# Altium PCB 10515.0461_全联供输出板(2拼版)_V1.0.PcbDoc (part 1 of 9)
Units mm, origin at the board's own origin, x right, y up, seen from the top; angles counter-clockwise.
Board outline 283.88 x 134.8 mm, 2 copper layers (Top Layer, Bottom Layer); 298 components, 0 nets, 1264 pads, 970 vias.
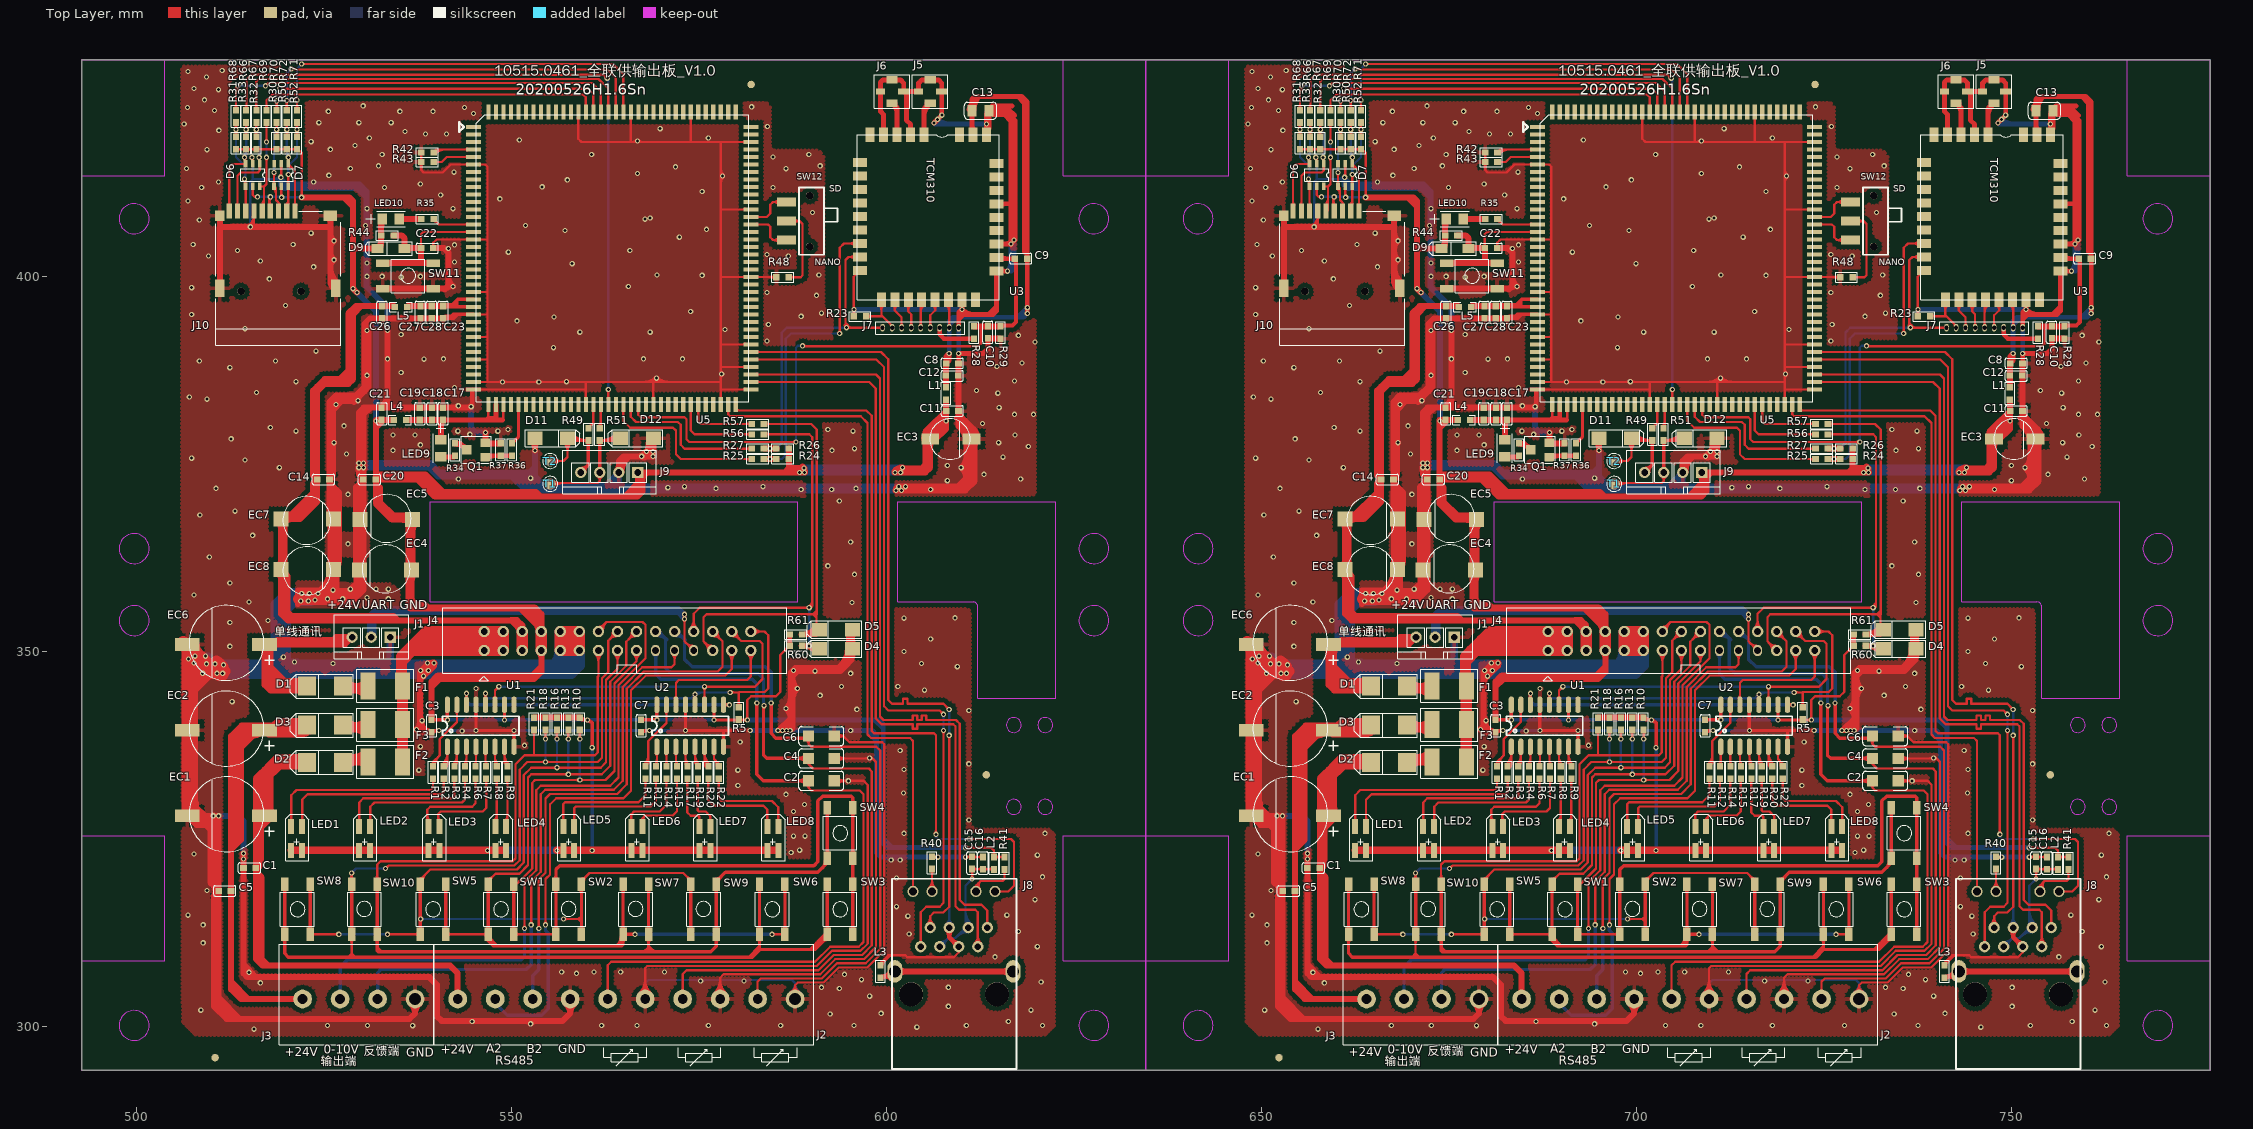
[diagram p0: Top Layer view]
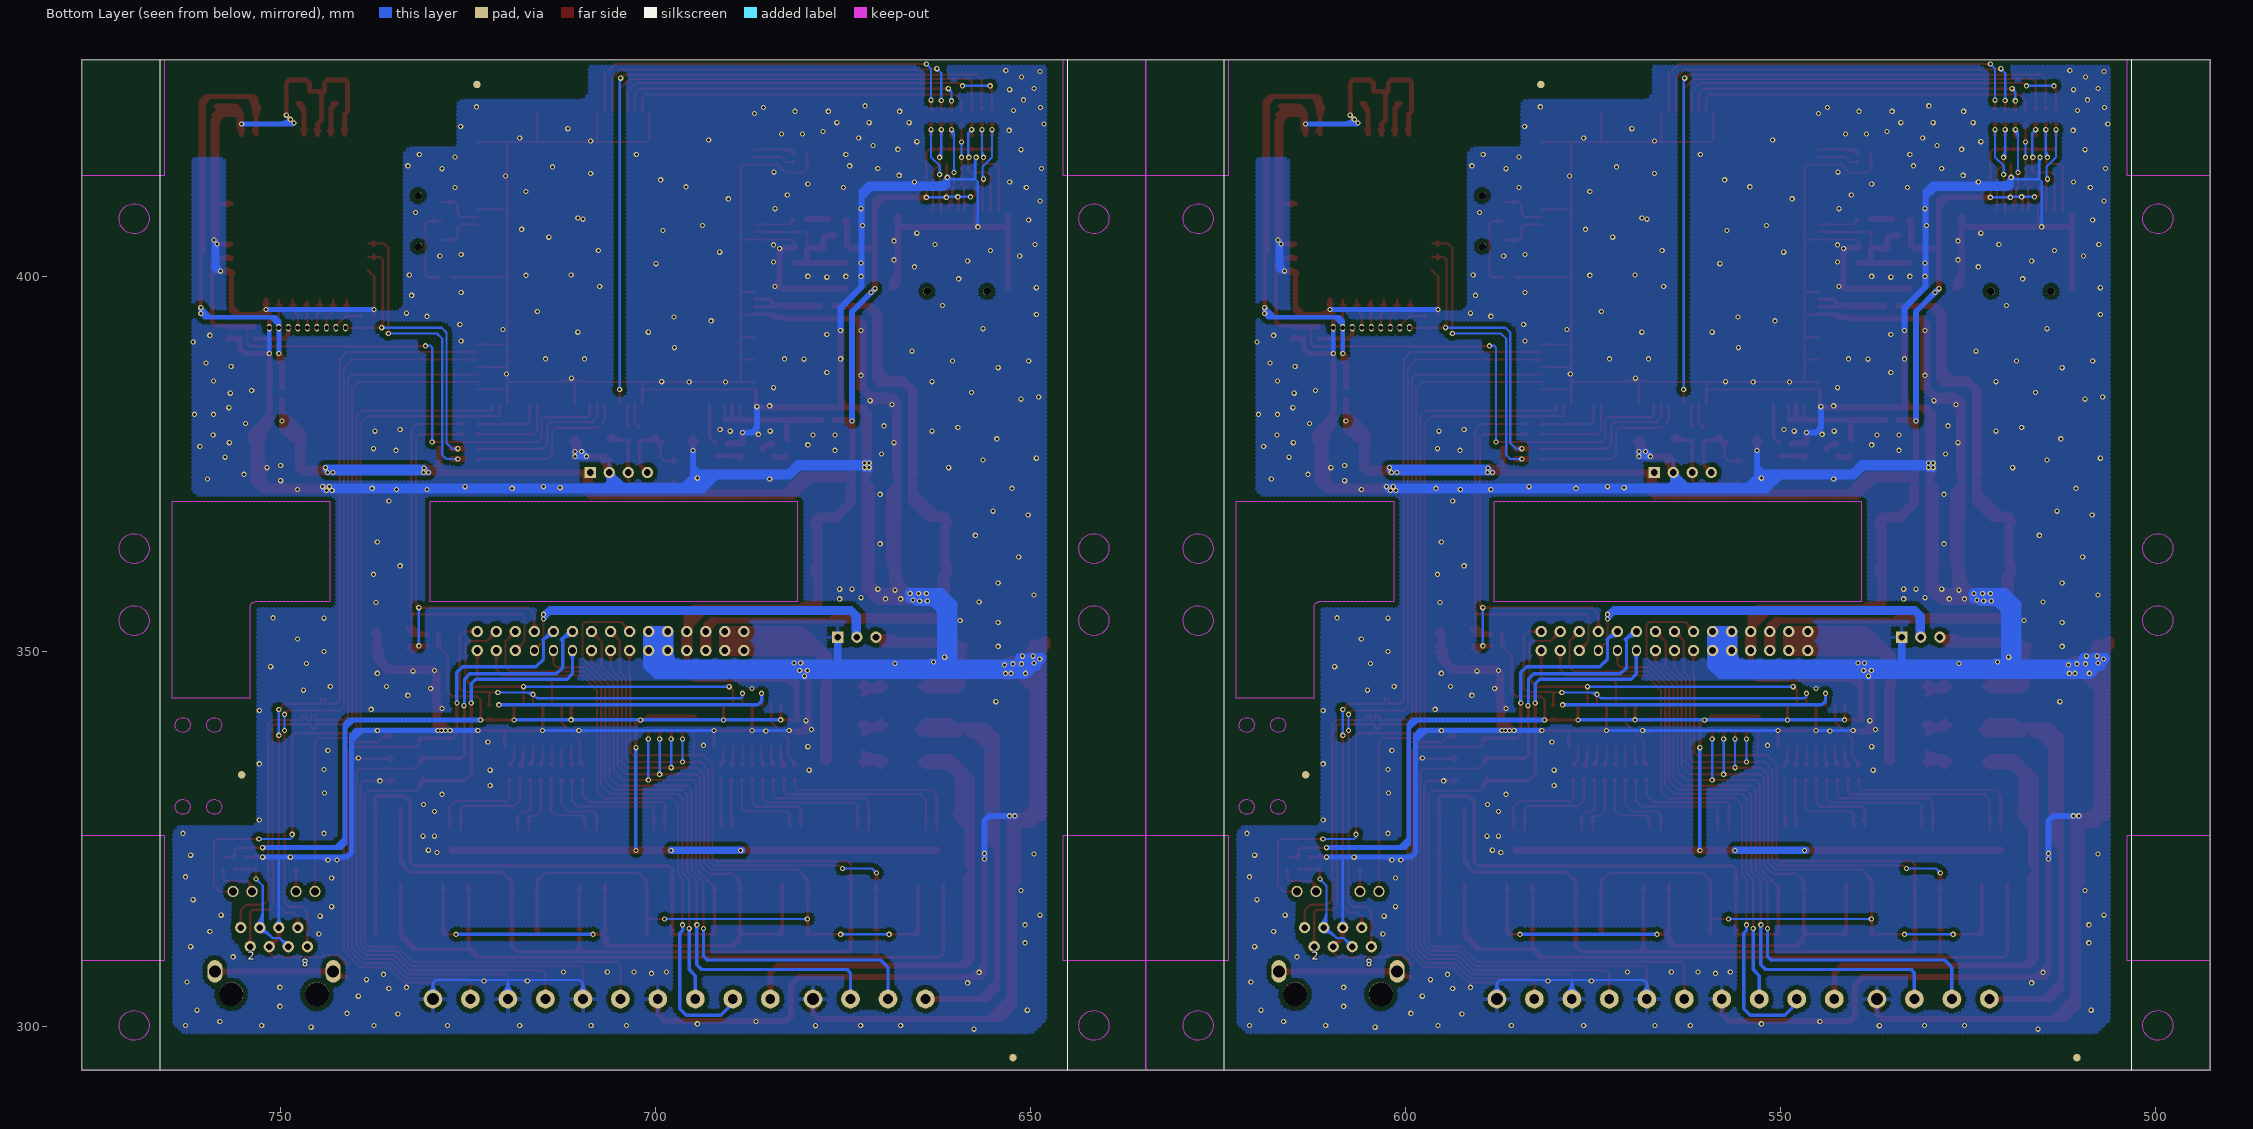
[diagram p1: Bottom Layer view, seen from below]

## Layer stack, top to bottom
Top Layer: signal copper 0.0356
Dielectric: dielectric 0.32, FR-4, Dk 4.8
Bottom Layer: signal copper 0.0356

## Board outline
492.633,428.879 776.517,428.879 776.517,294.079 492.633,294.079 492.633,428.879

## Design rules (kind name [scope] priority, off if disabled: settings)
Clearance [All] p1: gap=0.254
PolygonConnect [All] p1: connectstyle=Relief reliefconductorwidth=0.254 reliefentries=4 polygonreliefangle="90 Angle"
RoutingVias [All] p1: holewidth=0.711 width=1.27 viastyle="Through Hole" minholewidth=0.711 minwidth=1.27 maxholewidth=0.711 maxwidth=1.27
SilkscreenOverComponentPads [All] p1: minsilkscreentomaskgap=0.254
SolderMaskExpansion [All] p1: expansion=0.102
Width [All] p1: maxlimit=0.254 minlimit=0.254 preferedwidth=0.254
27 further rules are at their usual default settings.

## Components (designator, comment, footprint, x,y, rotation, side; value= is the part's Value field where it differs from the comment)
C1 "0.1uF/0603" CAP/SMT/0603C 656.123,321.003 r0 top
C1 "0.1uF/0603" CAP/SMT/0603C 514.223,321.003 r0 top
C2 "1nF/1206" CAP/SMT/1206C 731.434,332.687 r0 top
C2 "1nF/1206" CAP/SMT/1206C 589.534,332.687 r0 top
C3 "0.1uF/0603" CAP/SMT/0603C 681.142,340.815 r270 top
C3 "0.1uF/0603" CAP/SMT/0603C 539.242,340.815 r270 top
C4 "1nF/1206" CAP/SMT/1206C 731.434,335.672 r0 top
C4 "1nF/1206" CAP/SMT/1206C 589.534,335.672 r0 top
C5 "0.1uF/0603" CAP/SMT/0603C 652.821,317.955 r0 top
C5 "0.1uF/0603" CAP/SMT/0603C 510.921,317.955 r0 top
C6 "1nF/1206" CAP/SMT/1206C 731.434,338.656 r0 top
C6 "1nF/1206" CAP/SMT/1206C 589.534,338.656 r0 top
C7 "0.1uF/0603" CAP/SMT/0603C 709.082,340.815 r270 top
C7 "0.1uF/0603" CAP/SMT/0603C 567.182,340.815 r270 top
C8 "10uF/0603" CAP/SMT/0603C 749.849,388.313 r0 top
C8 "10uF/0603" CAP/SMT/0603C 607.949,388.313 r0 top
C9 "0.1uF/0603" CAP/SMT/0603C 758.993,402.283 r0 top
C9 "0.1uF/0603" CAP/SMT/0603C 617.093,402.283 r0 top
C10 "0.1uF/0603" CAP/SMT/0603C 755.437,391.742 r90 top
C10 "0.1uF/0603" CAP/SMT/0603C 613.537,391.742 r90 top
C11 "0.1uF/0603" CAP/SMT/0603C 749.849,381.963 r0 top
C11 "0.1uF/0603" CAP/SMT/0603C 607.949,381.963 r0 top
C12 "0.1uF/0603" CAP/SMT/0603C 751.404,386.789 r180 top
C12 "0.1uF/0603" CAP/SMT/0603C 609.504,386.789 r180 top
C13 "22uF/0805" CAP/SMT/0805C 755.564,422.095 r180 top
C13 "22uF/0805" CAP/SMT/0805C 613.664,422.095 r180 top
C14 "0.1uF/0603" CAP/SMT/0603C 667.553,372.969 r180 top
C14 "0.1uF/0603" CAP/SMT/0603C 525.653,372.969 r180 top
C15 "0.1uF/0603" CAP/SMT/0603C 753.336,320.963 r90 top
C15 "0.1uF/0603" CAP/SMT/0603C 611.436,320.963 r90 top
C16 "10uF/0603" CAP/SMT/0603C 754.675,322.517 r270 top
C16 "10uF/0603" CAP/SMT/0603C 612.775,322.517 r270 top
C17 "1uF/0603" CAP/SMT/0603C 682.666,382.446 r270 top
C17 "1uF/0603" CAP/SMT/0603C 540.766,382.446 r270 top
C18 "0.1uF/0603" CAP/SMT/0603C 681.18,382.446 r270 top
C18 "0.1uF/0603" CAP/SMT/0603C 539.28,382.446 r270 top
C19 "0.1uF/0603" CAP/SMT/0603C 679.568,382.446 r270 top
C19 "0.1uF/0603" CAP/SMT/0603C 537.668,382.446 r270 top
C20 "1uF/0603" CAP/SMT/0603C 672.125,372.819 r0 top
C20 "1uF/0603" CAP/SMT/0603C 530.225,372.819 r0 top
C21 "0.1uF/0603" CAP/SMT/0603C 674.488,382.446 r270 top
C21 "0.1uF/0603" CAP/SMT/0603C 532.588,382.446 r270 top
C22 "0.1uF/0603" CAP/SMT/0603C 681.396,403.807 r180 top
C22 "0.1uF/0603" CAP/SMT/0603C 539.496,403.807 r180 top
C23 "0.1uF/0603" CAP/SMT/0603C 682.793,394.409 r90 top
C23 "0.1uF/0603" CAP/SMT/0603C 540.893,394.409 r90 top
C26 "0.1uF/0603" CAP/SMT/0603C 674.665,394.409 r90 top
C26 "0.1uF/0603" CAP/SMT/0603C 532.765,394.409 r90 top
C27 "0.1uF/0603" CAP/SMT/0603C 679.745,394.409 r90 top
C27 "0.1uF/0603" CAP/SMT/0603C 537.845,394.409 r90 top
C28 "0.1uF/0603" CAP/SMT/0603C 681.269,394.409 r90 top
C28 "0.1uF/0603" CAP/SMT/0603C 539.369,394.409 r90 top
D1 "1N5819" D/SMT/DO-214AC 669.331,345.387 r0 top
D1 "1N5819" D/SMT/DO-214AC 527.431,345.387 r0 top
D2 "1N5819" D/SMT/DO-214AC 669.331,335.227 r0 top
D2 "1N5819" D/SMT/DO-214AC 527.431,335.227 r0 top
D3 "1N5819" D/SMT/DO-214AC 669.331,340.18 r0 top
D3 "1N5819" D/SMT/DO-214AC 527.431,340.18 r0 top
D4 "SMF6.5CA/SOD-123" D/SMT/SOD123 732.704,350.34 r0 top
D4 "SMF6.5CA/SOD-123" D/SMT/SOD123 590.804,350.34 r0 top
D5 "SMF6.5CA/SOD-123" D/SMT/SOD123 732.704,352.88 r0 top
D5 "SMF6.5CA/SOD-123" D/SMT/SOD123 590.804,352.88 r0 top
D6 "SR05-4B/SOT-363" TSOT-6L 658.282,414.983 r270 top
D6 "SR05-4B/SOT-363" TSOT-6L 516.382,414.983 r270 top
D7 "SR05-4B/SOT-363" TSOT-6L 662.092,414.983 r270 top
D7 "SR05-4B/SOT-363" TSOT-6L 520.192,414.983 r270 top
D9 "1N4148/SOD-123" D/SMT/SOD-123 675.808,403.68 r0 top
D9 "1N4148/SOD-123" D/SMT/SOD-123 533.908,403.68 r0 top
D11 "SMF6.5CA/SOD-123" D/SMT/SOD123 699.557,378.407 r180 top
D11 "SMF6.5CA/SOD-123" D/SMT/SOD123 557.657,378.407 r180 top
D12 "SMF6.5CA/SOD-123" D/SMT/SOD123 706.161,378.407 r0 top
D12 "SMF6.5CA/SOD-123" D/SMT/SOD123 564.261,378.407 r0 top
EC1 "220uF/50V" CAP/SMT/220UF/50V 658.917,323.035 r180 top
EC1 "220uF/50V" CAP/SMT/220UF/50V 517.017,323.035 r180 top
EC2 "220uF/50V" CAP/SMT/220UF/50V 658.917,334.465 r180 top
EC2 "220uF/50V" CAP/SMT/220UF/50V 517.017,334.465 r180 top
EC3 "47uF/16V" CAP/SMT/47uF/16V 747.69,378.28 r0 top
EC3 "47uF/16V" CAP/SMT/47uF/16V 605.79,378.28 r0 top
EC4 "100uF/25V" CAP/SMT/100UF/25V 678.221,360.677 r180 top
EC4 "100uF/25V" CAP/SMT/100UF/25V 536.321,360.677 r180 top
EC5 "100uF/25V" CAP/SMT/100UF/25V 678.348,367.408 r180 top
EC5 "100uF/25V" CAP/SMT/100UF/25V 536.448,367.408 r180 top
EC6 "220uF/50V" CAP/SMT/220UF/50V 658.917,345.895 r180 top
EC6 "220uF/50V" CAP/SMT/220UF/50V 517.017,345.895 r180 top
EC7 "100uF/25V" CAP/SMT/100UF/25V 661.457,367.739 r0 top
EC7 "100uF/25V" CAP/SMT/100UF/25V 519.557,367.739 r0 top
EC8 "100uF/25V" CAP/SMT/100UF/25V 661.457,361.008 r0 top
EC8 "100uF/25V" CAP/SMT/100UF/25V 519.557,361.008 r0 top
F1 "500MA" FUSE/100MA/SMC 677.332,345.387 r180 top
F1 "500MA" FUSE/100MA/SMC 535.432,345.387 r180 top
F2 "500MA" FUSE/100MA/SMC 672.665,335.227 r0 top
F2 "500MA" FUSE/100MA/SMC 530.765,335.227 r0 top
F3 "500MA" FUSE/100MA/SMC 672.665,340.18 r0 top
F3 "500MA" FUSE/100MA/SMC 530.765,340.18 r0 top
J1 "CON/DIP/1X3PIN/2.54MM" CON/DIP/1×3PIN/2.54MM/插件端子 675.681,351.864 r270 top
J1 "CON/DIP/1X3PIN/2.54MM" CON/DIP/1×3PIN/2.54MM/插件端子 533.781,351.864 r270 top
J2 "WJ305-5.0" CON/DIP/1×10PIN/5.0MM/WJ103-10P 707.177,303.604 r180 top locked
J2 "WJ305-5.0" CON/DIP/1×10PIN/5.0MM/WJ103-10P 565.277,303.604 r180 top locked
J3 "WJ103-5.0" CON/DIP/1×4PIN/5.0MM/WJ103-4P 671.49,303.604 r180 top
J3 "WJ103-5.0" CON/DIP/1×4PIN/5.0MM/WJ103-4P 529.59,303.604 r180 top
J4 "CON/DIP/2X15PIN" CON/DIP/2X15PIN/2.54MM 688.206,350.086 r90 top
J4 "CON/DIP/2X15PIN" CON/DIP/2X15PIN/2.54MM 546.306,350.086 r90 top
J5 "NC" W.FL.LP-3MM 747.69,424.635 r270 top
J5 "NC" W.FL.LP-3MM 605.79,424.635 r270 top
J6 "Antena_W.FL-LP" W.FL.LP-3MM 742.61,424.635 r270 top
J6 "Antena_W.FL-LP" W.FL.LP-3MM 600.71,424.635 r270 top
J7 "CON/1X9PIN" CON/DIP/1×9PIN/1.27MM 751.5,393.139 r180 top
J7 "CON/1X9PIN" CON/DIP/1×9PIN/1.27MM 609.6,393.139 r180 top
J8 "MJ3A-B211-RSL15T022-1" RJ45-MJ3A-B211-RSL15T022-1 745.404,317.955 r0 top locked
J8 "MJ3A-B211-RSL15T022-1" RJ45-MJ3A-B211-RSL15T022-1 603.504,317.955 r0 top locked
J9 "1X4PIN/2.54MM" CON/DIP/1×4PIN/2.54MM/插件端子 708.701,373.835 r270 top
J9 "1X4PIN/2.54MM" CON/DIP/1×4PIN/2.54MM/插件端子 566.801,373.835 r270 top
J10 "OTHER/MicroSD" TF-01A 660.695,403.553 r0 top
J10 "OTHER/MicroSD" TF-01A 518.795,403.553 r0 top
L1 "10uH/0603/磁珠" 0603R 749.776,384.376 r90 top
L1 "10uH/0603/磁珠" 0603R 607.876,384.376 r90 top
L2 "220R/0603/磁珠" 0603R 756.199,321.715 r270 top
L2 "220R/0603/磁珠" 0603R 614.299,321.715 r270 top
L3 "10uH/0603/磁珠" 0603R 741.086,307.287 r270 top
L3 "10uH/0603/磁珠" 0603R 599.186,307.287 r270 top
L4 "L/10uH" L/SMT/0603L 676.189,380.878 r0 top
L4 "L/10uH" L/SMT/0603L 534.289,380.878 r0 top
L5 "L/10uH" L/SMT/0603L 676.316,395.933 r0 top
L5 "L/10uH" L/SMT/0603L 534.416,395.933 r0 top
LED1 "WEJT910C-R3H4共阳" D/SMT/WEJT910C-R3H4 662.473,323.416 r90 top
LED1 "WEJT910C-R3H4共阳" D/SMT/WEJT910C-R3H4 520.573,323.416 r90 top
LED2 "WEJT910C-R3H4共阳" D/SMT/WEJT910C-R3H4 671.544,323.416 r90 top
LED2 "WEJT910C-R3H4共阳" D/SMT/WEJT910C-R3H4 529.644,323.416 r90 top
LED3 "WEJT910C-R3H4共阳" D/SMT/WEJT910C-R3H4 680.761,323.416 r90 top
LED3 "WEJT910C-R3H4共阳" D/SMT/WEJT910C-R3H4 538.861,323.416 r90 top
LED4 "WEJT910C-R3H4共阳" D/SMT/WEJT910C-R3H4 689.687,323.416 r90 top
LED4 "WEJT910C-R3H4共阳" D/SMT/WEJT910C-R3H4 547.787,323.416 r90 top
LED5 "WEJT910C-R3H4共阳" D/SMT/WEJT910C-R3H4 698.759,323.416 r90 top
LED5 "WEJT910C-R3H4共阳" D/SMT/WEJT910C-R3H4 556.859,323.416 r90 top
LED6 "WEJT910C-R3H4共阳" D/SMT/WEJT910C-R3H4 707.83,323.416 r90 top
LED6 "WEJT910C-R3H4共阳" D/SMT/WEJT910C-R3H4 565.93,323.416 r90 top
LED7 "WEJT910C-R3H4共阳" D/SMT/WEJT910C-R3H4 716.902,323.416 r90 top
LED7 "WEJT910C-R3H4共阳" D/SMT/WEJT910C-R3H4 575.002,323.416 r90 top
LED8 "WEJT910C-R3H4共阳" D/SMT/WEJT910C-R3H4 725.973,323.416 r90 top
LED8 "WEJT910C-R3H4共阳" D/SMT/WEJT910C-R3H4 584.073,323.416 r90 top
LED9 "WEJT81GC-0805" D/SMT/LED/0805 682.285,375.867 r90 top
LED9 "WEJT81GC-0805" D/SMT/LED/0805 540.385,375.867 r90 top
LED10 "WEJT81GC-0805" D/SMT/LED/0805 676.951,407.49 r180 top
LED10 "WEJT81GC-0805" D/SMT/LED/0805 535.051,407.49 r180 top
Q1 "NPN_SS8050" BJT/SMT/SOT-23 688.381,375.867 r90 top
Q1 "NPN_SS8050" BJT/SMT/SOT-23 546.481,375.867 r90 top
R1 "1K/0603" 0603R 681.396,333.83 r270 top
R1 "1K/0603" 0603R 539.496,333.83 r270 top
R2 "1K/0603" 0603R 682.811,333.83 r270 top
R2 "1K/0603" 0603R 540.911,333.83 r270 top
R3 "1K/0603" 0603R 684.226,333.83 r270 top
R3 "1K/0603" 0603R 542.326,333.83 r270 top
R4 "1K/0603" 0603R 685.641,333.83 r270 top
R4 "1K/0603" 0603R 543.741,333.83 r270 top
R5 "10K/0603" 0603R 722.163,341.704 r90 top
R5 "10K/0603" 0603R 580.263,341.704 r90 top
R6 "1K/0603" 0603R 687.057,333.83 r270 top
R6 "1K/0603" 0603R 545.157,333.83 r270 top
R7 "1K/0603" 0603R 688.472,333.83 r270 top
R7 "1K/0603" 0603R 546.572,333.83 r270 top
R8 "1K/0603" 0603R 689.887,333.83 r270 top
R8 "1K/0603" 0603R 547.987,333.83 r270 top
R9 "1K/0603" 0603R 691.302,333.83 r270 top
R9 "1K/0603" 0603R 549.402,333.83 r270 top
R10 "10K/0603" 0603R 700.954,340.307 r90 top
R10 "10K/0603" 0603R 559.054,340.307 r90 top
R11 "1K/0603" 0603R 709.717,333.83 r270 top
R11 "1K/0603" 0603R 567.817,333.83 r270 top
R12 "1K/0603" 0603R 711.114,333.83 r270 top
R12 "1K/0603" 0603R 569.214,333.83 r270 top
R13 "10K/0603" 0603R 699.43,340.307 r90 top
R13 "10K/0603" 0603R 557.53,340.307 r90 top
R14 "1K/0603" 0603R 712.511,333.83 r270 top
R14 "1K/0603" 0603R 570.611,333.83 r270 top
R15 "1K/0603" 0603R 713.908,333.83 r270 top
R15 "1K/0603" 0603R 572.008,333.83 r270 top
R16 "10K/0603" 0603R 697.906,340.307 r90 top
R16 "10K/0603" 0603R 556.006,340.307 r90 top
R17 "1K/0603" 0603R 715.305,333.83 r270 top
R17 "1K/0603" 0603R 573.405,333.83 r270 top
R18 "10K/0603" 0603R 696.382,340.307 r90 top
R18 "10K/0603" 0603R 554.482,340.307 r90 top
R19 "1K/0603" 0603R 716.702,333.83 r270 top
R19 "1K/0603" 0603R 574.802,333.83 r270 top
R20 "1K/0603" 0603R 718.099,333.83 r270 top
R20 "1K/0603" 0603R 576.199,333.83 r270 top
R21 "10K/0603" 0603R 694.858,340.307 r90 top
R21 "10K/0603" 0603R 552.958,340.307 r90 top
R22 "1K/0603" 0603R 719.496,333.83 r270 top
R22 "1K/0603" 0603R 577.596,333.83 r270 top
R23 "10K/0603" 0603R 738.336,394.663 r0 top
R23 "10K/0603" 0603R 596.436,394.663 r0 top
R24 "10K/0603" 0603R 728.005,375.613 r0 top
R24 "10K/0603" 0603R 586.105,375.613 r0 top
R25 "100R/0603" 0603R 724.703,375.613 r0 top
R25 "100R/0603" 0603R 582.803,375.613 r0 top
R26 "10K/0603" 0603R 728.005,377.01 r0 top
R26 "10K/0603" 0603R 586.105,377.01 r0 top
R27 "100R/0603" 0603R 724.703,377.01 r0 top
R27 "100R/0603" 0603R 582.803,377.01 r0 top
R28 "100R/0603" 0603R 753.532,392.504 r90 top
R28 "100R/0603" 0603R 611.632,392.504 r90 top
R29 "10K/0603" 0603R 757.088,392.504 r90 top
R29 "10K/0603" 0603R 615.188,392.504 r90 top
R30 "10K/0603" 0603R 660.526,417.777 r270 top
R30 "10K/0603" 0603R 518.626,417.777 r270 top
R31 "10K/0603" 0603R 655.107,417.777 r270 top
R31 "10K/0603" 0603R 513.207,417.777 r270 top
R32 "10K/0603" 0603R 657.816,417.777 r270 top
R32 "10K/0603" 0603R 515.916,417.777 r270 top
R33 "10K/0603" 0603R 656.462,417.777 r270 top
R33 "10K/0603" 0603R 514.562,417.777 r270 top
R34 "1K/0603" 0603R 684.317,376.883 r90 top
R34 "1K/0603" 0603R 542.417,376.883 r90 top
R35 "1K/0603" 0603R 680.634,407.617 r180 top
R35 "1K/0603" 0603R 538.734,407.617 r180 top
R36 "4.7K/0603" 0603R 691.937,376.883 r270 top
R36 "4.7K/0603" 0603R 550.037,376.883 r270 top
R37 "10K/0603" 0603R 690.413,376.883 r270 top
R37 "10K/0603" 0603R 548.513,376.883 r270 top
R40 "470R/0603" 0603R 747.944,321.765 r90 top
R40 "470R/0603" 0603R 606.044,321.765 r90 top
R41 "470R/0603" 0603R 757.596,321.715 r90 top
R41 "470R/0603" 0603R 615.696,321.715 r90 top
R42 "1K/0603" 0603R 680.634,416.507 r180 top
R42 "1K/0603" 0603R 538.734,416.507 r180 top
R43 "NC 1K/0603" 0603R 680.634,415.237 r180 top
R43 "NC 1K/0603" 0603R 538.734,415.237 r180 top
R44 "10K/0603" 0603R 675.3,405.458 r180 top
R44 "10K/0603" 0603R 533.4,405.458 r180 top
R48 "1K/0603" 0603R 728.005,399.87 r0 top
R48 "1K/0603" 0603R 586.105,399.87 r0 top
R49 "100R/0603" 0603R 702.097,378.915 r90 top
R49 "100R/0603" 0603R 560.197,378.915 r90 top
R50 "10K/0603" 0603R 661.88,417.777 r270 top
R50 "10K/0603" 0603R 519.98,417.777 r270 top
R51 "100R/0603" 0603R 703.621,378.915 r90 top
R51 "100R/0603" 0603R 561.721,378.915 r90 top
R52 "10K/0603" 0603R 663.235,417.777 r270 top
R52 "10K/0603" 0603R 521.335,417.777 r270 top
R56 "100R/0603" 0603R 724.703,378.915 r0 top
R56 "100R/0603" 0603R 582.803,378.915 r0 top
R57 "100R/0603" 0603R 724.703,380.312 r0 top
R57 "100R/0603" 0603R 582.803,380.312 r0 top
R60 "10K/0603" 0603R 729.783,350.721 r180 top
R60 "10K/0603" 0603R 587.883,350.721 r180 top
R61 "10K/0603" 0603R 729.783,352.245 r180 top
R61 "10K/0603" 0603R 587.883,352.245 r180 top
R66 "22R/0603" 0603R 656.462,421.333 r270 top
R66 "22R/0603" 0603R 514.562,421.333 r270 top
R67 "22R/0603" 0603R 657.816,421.333 r270 top
R67 "22R/0603" 0603R 515.916,421.333 r270 top
R68 "22R/0603" 0603R 655.107,421.333 r270 top
R68 "22R/0603" 0603R 513.207,421.333 r270 top
R69 "22R/0603" 0603R 659.171,421.333 r270 top
R69 "22R/0603" 0603R 517.271,421.333 r270 top
R70 "22R/0603" 0603R 660.526,421.333 r270 top
R70 "22R/0603" 0603R 518.626,421.333 r270 top
R71 "22R/0603" 0603R 663.235,421.333 r270 top
R71 "22R/0603" 0603R 521.335,421.333 r270 top
R72 "22R/0603" 0603R 661.88,421.333 r270 top
R72 "22R/0603" 0603R 519.98,421.333 r270 top
SW1 "KAN4542-0381A" SWITCH/KAN4542 690.381,315.415 r90 top
SW1 "KAN4542-0381A" SWITCH/KAN4542 548.481,315.415 r90 top
SW2 "KAN4542-0381A" SWITCH/KAN4542 699.532,315.771 r270 top
SW2 "KAN4542-0381A" SWITCH/KAN4542 557.632,315.771 r270 top
SW3 "KAN4542-0381A" SWITCH/KAN4542 735.625,315.415 r90 top
SW3 "KAN4542-0381A" SWITCH/KAN4542 593.725,315.415 r90 top
SW4 "KAN4542-0381A" SWITCH/KAN4542 735.625,325.575 r90 top
SW4 "KAN4542-0381A" SWITCH/KAN4542 593.725,325.575 r90 top
SW5 "KAN4542-0381A" SWITCH/KAN4542 681.332,315.415 r90 top
SW5 "KAN4542-0381A" SWITCH/KAN4542 539.433,315.415 r90 top
SW6 "KAN4542-0381A" SWITCH/KAN4542 726.576,315.415 r90 top
SW6 "KAN4542-0381A" SWITCH/KAN4542 584.676,315.415 r90 top
SW7 "KAN4542-0381A" SWITCH/KAN4542 708.479,315.771 r270 top
SW7 "KAN4542-0381A" SWITCH/KAN4542 566.579,315.771 r270 top
SW8 "KAN4542-0381A" SWITCH/KAN4542 663.235,315.415 r90 top
SW8 "KAN4542-0381A" SWITCH/KAN4542 521.335,315.415 r90 top
SW9 "KAN4542-0381A" SWITCH/KAN4542 717.527,315.771 r270 top
SW9 "KAN4542-0381A" SWITCH/KAN4542 575.627,315.771 r270 top
SW10 "KAN4542-0381A" SWITCH/KAN4542 672.284,315.771 r270 top
SW10 "KAN4542-0381A" SWITCH/KAN4542 530.384,315.771 r270 top
SW11 "KAN4542-0381A" SWITCH/KAN4542 678.221,399.997 r180 top
SW11 "KAN4542-0381A" SWITCH/KAN4542 536.321,399.997 r180 top
SW12 "K3-1280S-F2" SWITCH/K3-1280S-F2 728.513,407.363 r270 top
SW12 "K3-1280S-F2" SWITCH/K3-1280S-F2 586.613,407.363 r270 top
T1 "TEST" TEST 697.017,372.311 r0 top
T1 "TEST" TEST 555.117,372.311 r0 top
T2 "TEST" TEST 697.017,375.359 r0 top
T2 "TEST" TEST 555.117,375.359 r0 top
U1 "SN74HC595" SOP-16 683.301,337.259 r90 top
U1 "SN74HC595" SOP-16 541.401,337.259 r90 top
U2 "SN74HC595" SOP-16 711.241,337.259 r90 top
U2 "SN74HC595" SOP-16 569.341,337.259 r90 top
U3 "TCM_310" TCM310 747.436,407.871 r270 top
U3 "TCM_310" TCM310 605.536,407.871 r270 top
U5 "MCU/SMT/MYCY6UL" MYC140 705.265,402.41 r270 top locked
U5 "MCU/SMT/MYCY6UL" MYC140 563.365,402.41 r270 top locked

## Footprints (in the part's own frame and the unit in brackets; to place one, negate y for a bottom-side part, rotate by r counter-clockwise, add the part's x,y. Pads: shape width x height; smd on the part's side, far side on the other; paste and mask are expansions set on the pad)
0603R [mil]
  rect 35x32 smd: 1(-32.5,0) 2(32.5,0)
  silkscreen extent -58,-25 58,25, body extent -33,-15 30,16, height 18
BJT/SMT/SOT-23 [mm] "transistor 1base 2emitter 3collector"
  rect 1.143x1.27 smd: 1(0,0) 2(1.95,0)
  rect 1.27x1.27 smd: 3(1,2.5)
  silkscreen extent -0.78,-0.8 2.78,3.26, body extent -0.38,-0.13 2.52,2.67, height 1.2
CAP/SMT/47uF/16V [mm]
  rect 2.4x1.5 smd: 1(0.01,0.017) 2(5.5,0.017)
  silkscreen extent -0.07,-2.7 5.33,2.7
CAP/SMT/100UF/25V [mm]
  rect 2x2 smd: 1(-0.325,-0.127) 2(6.675,-0.127)
  silkscreen extent -0.1,-3.49 6.29,2.91
CAP/SMT/220UF/50V [mm]
  rect 3.3x1.7 smd: 1(0,-5) 2(10.3,-5)
  silkscreen extent -1.27,-10.21 10.08,-0.21
CAP/SMT/0603C [mil]
  rect 35x32 smd: 1(-1,1.97) 2(64,1.97)
  silkscreen extent -28,-24 89,30, body extent -20,-20 82,19, height 35
CAP/SMT/0805C [mm]
  rect 1.2x1.524 smd: 1(0.01,0.01) 2(2.296,0.01)
  silkscreen extent -0.99,-1.13 3.32,1.15, body extent -0.38,-0.64 2.62,0.76, height 0.93
CAP/SMT/1206C [mm]
  rect 1.5x1.5 smd: 1(0.026,0.025) 2(3.455,0.025)
  silkscreen extent -1.25,-1.24 4.73,1.3, body extent -0.38,-0.89 3.82,0.91, height 0.95
CON/DIP/1×3PIN/2.54MM/插件端子 [mm]
  rect 1.5x1.5 hole 0.9: 1(0,0)
  round 1.5 hole 0.9: 2(0,-2.54) 3(0,-5.08)
  silkscreen extent -2.99,-7.5 2.86,2.46
CON/DIP/1×4PIN/2.54MM/插件端子 [mm]
  rect 1.5x1.5 hole 0.9: 1(0,0)
  round 1.5 hole 0.9: 2(0,-2.54) 3(0,-5.08) 4(0,-7.62)
  silkscreen extent -2.99,-10 2.86,2.46
CON/DIP/1×4PIN/5.0MM/WJ103-4P [mm]
  round 2.5 hole 1.6: 1(-7.5,0)
  round 2.5 hole 1.3: 2(-2.5,0) 3(2.5,0) 4(7.5,0)
  silkscreen extent -10,-7.3 10.6,6.1
CON/DIP/1×9PIN/1.27MM [mm]
  oval 0.6x1 hole 0.58: 1(0,0) 2(1.27,0) 3(2.54,0) 4(3.81,0) 5(5.08,0) 6(6.35,0) 7(7.62,0) 8(8.89,0) 9(10.16,0)
  silkscreen extent -0.81,-0.81 11.05,0.86
CON/DIP/1×10PIN/5.0MM/WJ103-10P [mm]
  round 2.5 hole 1.6: 1(-22.5,0)
  round 2.5 hole 1.3: 2(-17.5,0) 3(-12.5,0) 4(-7.5,0) 5(-2.5,0) 6(2.5,0) 7(7.5,0) 8(12.5,0) 9(17.5,0) 10(22.5,0)
  silkscreen extent -25,-7.3 25.63,6.1
CON/DIP/2X15PIN/2.54MM [mil]
  round 60 hole 35.43: 1(0,0) 2(100,0) 3(0,-100) 4(100,-100) 5(0,-200) 6(100,-200) 7(0,-300) 8(100,-300) 9(0,-400) 10(100,-400) 11(0,-500) 12(100,-500) 13(0,-600) 14(100,-600) 15(0,-700) 16(100,-700) 17(0,-800) 18(100,-800) 20(100,-900) 22(100,-1000) 24(100,-1100) 25(0,-1200) 26(100,-1200) 27(0,-1300) 28(100,-1300) 29(0,-1400) 30(100,-1400)
  oval 60x47.24 hole 35.43: 19(0,-900) 21(0,-1000) 23(0,-1100)
  silkscreen extent -158,-1588 225,218
D/SMT/DO-214AC [mil]
  rect 94.49x100 smd: 1(-187.98,-2) 2(1,-2)
  silkscreen extent -274,-65 56,61, body extent -190,-55 15,47, height 40
D/SMT/LED/0805 [mil]
  rect 50x60 smd: 1(2,-6) 2(92,-6)
  silkscreen extent -28,-46 178,34
D/SMT/SOD123 [mm]
  rect 2x1.8 smd: 1(0.229,0) 2(4.597,0)
  silkscreen extent -1.4,-1.14 5.84,1.14, body extent 0.51,-0.76 4.21,0.84, height 1.2
D/SMT/SOD-123 [mm]
  rect 1.6x1.2 smd: 1(-1.8,0) 2(1.8,0)
  silkscreen extent -3.43,-0.9 2.78,0.9, body extent -1.91,-0.76 1.79,0.84, height 1.2
D/SMT/WEJT910C-R3H4 [mm]
  rect 2x0.8 smd: 1(0,0) 2(3.2,0) 3(0,-1.46) 4(3.175,-1.46)
  silkscreen extent -1.4,-2.36 4.8,0.74
FUSE/100MA/SMC [mm]
  rect 2x3.6 smd: 1(0.033,0.018) 2(4.633,0.018)
  silkscreen extent -1.47,-2.18 6.13,2.22
L/SMT/0603L [mil]
  rect 35x32 smd: 1(-1,-1) 2(64,-1)
  silkscreen extent -28,-26 91,24
MYC140 [mm]
  rect 0.55x2 smd: 1(-17.5,-18.5) 2(-16.5,-18.5) 3(-15.5,-18.5) 4(-14.5,-18.5) 5(-13.5,-18.5) 6(-12.5,-18.5) 7(-11.5,-18.5) 8(-10.5,-18.5) 9(-9.5,-18.5) 10(-8.5,-18.5) 11(-7.5,-18.5) 12(-6.5,-18.5) 13(-5.5,-18.5) 14(-4.5,-18.5) 15(-3.5,-18.5) 16(-2.5,-18.5) 17(-1.5,-18.5) 18(-0.5,-18.5) 19(0.5,-18.5) 20(1.5,-18.5) 21(2.5,-18.5) 22(3.5,-18.5) 23(4.5,-18.5) 24(5.5,-18.5) 25(6.5,-18.5) 26(7.5,-18.5) 27(8.5,-18.5) 28(9.5,-18.5) 29(10.5,-18.5) 30(11.5,-18.5) 31(12.5,-18.5) 32(13.5,-18.5) 33(14.5,-18.5) 34(15.5,-18.5) 35(16.5,-18.5) 36(17.5,-18.5) 71(17.5,18.5) 72(16.5,18.5) 73(15.5,18.5) 74(14.5,18.5) 75(13.5,18.5) 76(12.5,18.5) 77(11.5,18.5) 78(10.5,18.5) 79(9.5,18.5) 80(8.5,18.5) 81(7.5,18.5) 82(6.5,18.5) 83(5.5,18.5) 84(4.5,18.5) 85(3.5,18.5) 86(2.5,18.5) 87(1.5,18.5) 88(0.5,18.5) 89(-0.5,18.5) 90(-1.5,18.5) 91(-2.5,18.5) 92(-3.5,18.5) 93(-4.5,18.5) 94(-5.5,18.5) 95(-6.5,18.5) 96(-7.5,18.5) 97(-8.5,18.5) 98(-9.5,18.5) 99(-10.5,18.5) 100(-11.5,18.5) 101(-12.5,18.5) 102(-13.5,18.5) 103(-14.5,18.5) 104(-15.5,18.5) 105(-16.5,18.5) 106(-17.5,18.5)
  rect 2x0.55 smd: 37(19.5,-16.5) 38(19.5,-15.5) 39(19.5,-14.5) 40(19.5,-13.5) 41(19.5,-12.5) 42(19.5,-11.5) 43(19.5,-10.5) 44(19.5,-9.5) 45(19.5,-8.5) 46(19.5,-7.5) 47(19.5,-6.5) 48(19.5,-5.5) 49(19.5,-4.5) 50(19.5,-3.5) 51(19.5,-2.5) 52(19.5,-1.5) 53(19.5,-0.5) 54(19.5,0.5) 55(19.5,1.5) 56(19.5,2.5) 57(19.5,3.5) 58(19.5,4.5) 59(19.5,5.5) 60(19.5,6.5) 61(19.5,7.5) 62(19.5,8.5) 63(19.5,9.5) 64(19.5,10.5) 65(19.5,11.5) 66(19.5,12.5) 67(19.5,13.5) 68(19.5,14.5) 69(19.5,15.5) 70(19.5,16.5) 107(-19.5,16.5) 108(-19.5,15.5) 109(-19.5,14.5) 110(-19.5,13.5) 111(-19.5,12.5) 112(-19.5,11.5) 113(-19.5,10.5) 114(-19.5,9.5) 115(-19.5,8.5) 116(-19.5,7.5) 117(-19.5,6.5) 118(-19.5,5.5) 119(-19.5,4.5) 120(-19.5,3.5) 121(-19.5,2.5) 122(-19.5,1.5) 123(-19.5,0.5) 124(-19.5,-0.5) 125(-19.5,-1.5) 126(-19.5,-2.5) 127(-19.5,-3.5) 128(-19.5,-4.5) 129(-19.5,-5.5) 130(-19.5,-6.5) 131(-19.5,-7.5) 132(-19.5,-8.5) 133(-19.5,-9.5) 134(-19.5,-10.5) 135(-19.5,-11.5) 136(-19.5,-12.5) 137(-19.5,-13.5) 138(-19.5,-14.5) 139(-19.5,-15.5) 140(-19.5,-16.5)
  silkscreen extent -19.11,-20.38 19.12,18.2
RJ45-MJ3A-B211-RSL15T022-1 [mm]
  round 3.2 hole 3.2: 0(-0.25,-13.72) 0(11.18,-13.72)
  round 1.5 hole 0.9: 1(9.91,-4.83) 2(8.64,-7.37) 3(7.37,-4.83) 4(6.1,-7.37) 5(4.83,-4.83) 6(3.56,-7.37) 7(2.29,-4.83) 8(1.02,-7.37)
  round 1.5 hole 1.05: 9(0,0) 10(2.54,0) 11(8.39,0) 12(10.93,0)
  oval 2x3 hole 1.6: BO1(-2.43,-10.67) BO2(13.36,-10.67)
  silkscreen extent -2.82,-23.69 13.82,1.69
SOP-16 [mm]
  oval 2.2x0.7 smd: 1(0,0) 2(0,-1.27) 3(0,-2.54) 4(0,-3.81) 5(0,-5.08) 6(0,-6.35) 7(0,-7.62) 8(0,-8.89) 9(5.588,-8.89) 10(5.588,-7.62) 11(5.588,-6.35) 12(5.588,-5.08) 13(5.588,-3.81) 14(5.588,-2.54) 15(5.588,-1.27) 16(5.588,0)
  silkscreen extent 1.52,-9.53 4.06,0.64
SWITCH/K3-1280S-F2 [mm]
  rect 1.2x2.54 smd: 1(-2.54,0) 2(0,0) 3(2.54,0)
  round 1 hole 1 unplated: ""(-3.403,3.103) ""(3.396,3.1)
  silkscreen extent -4.5,1.7 4.5,6.8
SWITCH/KAN4542 [mm]
  rect 1.8x1 smd: 1(-3.172,-1.751) 2(3.528,-1.751) 3(3.528,1.649) 4(-3.172,1.649)
  silkscreen extent -2.07,-2.3 2.43,2.2
TCM310 [mm]
  rect 1.9x1.2 smd: 1(-11,7.75) 2(-11,5.95) 3(-11,4.15) 4(-11,-0.55) 5(-11,-2.35) 6(-11,-4.15) 7(-11,-5.95) 8(-11,-7.75) 18(11,-6.25) 19(11,-4.457) 20(11,-2.664) 21(11,-0.871) 22(11,0.921) 23(11,2.714) 24(11,4.507) 25(11,6.3)
  rect 1.2x1.9 smd: 9(-7.3,-9.1) 10(-5.5,-9.1) 11(-3.7,-9.1) 12(-1.9,-9.1) 13(-0.1,-9.1) 14(1.7,-9.1) 15(3.5,-9.1) 16(5.3,-9.1) 17(7.1,-9.1) 26(7.2,9.1) 27(5.4,9.1) 28(3.6,9.1) 29(1.8,9.1) 30(0,9.1) 31(-1.8,9.1) 32(-3.6,9.1) 33(-5.4,9.1) 34(-7.2,9.1)
  silkscreen extent -11,-9.5 11,9.5
TEST [mm]
  round 1.5 smd: 1(0,0)
  silkscreen extent -1,-1 1,1
TF-01A [mm]
  rect 0.7x2 smd: 1(2.292,5.145) 2(1.192,5.143) 3(0.096,5.145) 4(-1.004,5.145) 5(-2.103,5.145) 6(-3.201,5.145) 7(-4.297,5.145) 8(-5.395,5.145) 9(-6.499,5.145)
  rect 1.27x1.397 smd: 10(-7.747,4.507)
  rect 1.27x2.286 smd: 11(-7.747,-5.145) 12(7.747,-5.145)
  rect 1.778x1.397 smd: 13(6.985,4.507)
  round 1 hole 1 unplated: ""(-4.915,-5.557) ""(3.084,-5.554)
  silkscreen extent -8.31,-12.76 8.39,5.14
TSOT-6L [mm]
  rect 1x0.5 smd: 1(0,0) 2(0,-0.95) 3(0,-1.9) 4(3,-1.905) 5(3,-0.95) 6(3,0)
  silkscreen extent 0.63,-2.54 2.29,0.64
W.FL.LP-3MM [mm]
  rect 1x1.5 smd: 1(1.55,0) 2(-1.55,0)
  rect 0.8x1.5 smd: 3(0,1.55)
  rect 0.8x1.2 smd: 4(0,-1.55)
  silkscreen extent -2.24,-2.36 2.24,2.34

## Part data
C1 C1 C2 C2 C3 C3 C4 C4 C5 C5 C6 C6 C7 C7 C8 C8 C9 C9 C10 C10 C11 C11 C12 C12 C14 C14 C15 C15 C16 C16 C17 C17 C18 C18 C19 C19 C20 C20 C21 C21 C22 C22 C23 C23 C26 C26 C27 C27 C28 C28: library part CAP/CAP/SMT/0603C
C13 C13: library part CAP/CAP/SMT/0805C
D1 D1: library part D/D/SMT/1N4007/DO-214
D2 D2 D3 D3: library part D/D/SMT/1N5819/DO-214
D4 D4 D5 D5 D11 D11 D12 D12: library part D/TVS/SMT/SMF13CA/SOD-123
D6 D6 D7 D7: library part D/TVS/SMT/SR05-4B/SOT-363
D9 D9: library part D/D/SMT/1N4148/SOD-123, "VR=75V T(-65-175)P(0.5W)VF=0.6V"
EC1 EC1 EC2 EC2 EC6 EC6: library part CAP/AEC/DIP/330uF/25V
EC3 EC3: library part CAP/AEC/SMT/47uF/16V
EC4 EC4 EC5 EC5 EC7 EC7 EC8 EC8: library part CAP/AEC/SMT/100uF/25V
F1 F1 F2 F2 F3 F3: library part FUSE/PTC/SMT/100MA
J1 J1 J4 J4: "Connector"
J2 J2: library part CON/DIP/1X10PIN/WJ305-5.0, "Connector"
J3 J3: library part CON/DIP/1X4PIN/WJ103-5.0MM, "Connector"
J5 J5 J6 J6: library part Antena
J7 J7: library part CON/DIP/1X9PIN/1.27MM
J8 J8: library part RJ45B-48F-01GY2DPL2NL, "RJ45 + MAG"
J9 J9: library part CON/DIP/1X4PIN/2.54MM, "Connector"
L1 L1 L2 L2 L3 L3: library part INDUCTOR1
L4 L4 L5 L5: library part L/BEAD/SMT/0603L
LED1 LED1 LED2 LED2 LED3 LED3 LED4 LED4 LED5 LED5 LED6 LED6 LED7 LED7 LED8 LED8: library part D/LED/DIP/WEJT910C-R3H4-BA共阳
LED9 LED9 LED10 LED10: library part D/LED/SMT/BL-HUF35A-TRB高亮红/0805
Q1 Q1: library part BJT/NPN/SMT/SS8050/SOT-23
R1 R1 R2 R2 R3 R3 R4 R4 R5 R5 R6 R6 R7 R7 R8 R8 R9 R9 R10 R10 R11 R11 R12 R12 R13 R13 R14 R14 R15 R15 R16 R16 R17 R17 R18 R18 R19 R19 R20 R20 R21 R21 R22 R22 R23 R23 R24 R24 R25 R25 R26 R26 R27 R27 R28 R28 R29 R29 R30 R30 R31 R31 R32 R32 R33 R33 R40 R40 R41 R41 R42 R42 R43 R43 R44 R44 R49 R49 R50 R50 R51 R51 R52 R52 R56 R56 R57 R57 R60 R60 R61 R61 R66 R66 R67 R67 R68 R68 R69 R69 R70 R70 R71 R71 R72 R72: library part RES/RES/SMT/0603
R34 R34 R35 R35 R36 R36 R37 R37 R48 R48: library part Res, "Resistor"
SW1 SW1 SW2 SW2 SW3 SW3 SW4 SW4 SW5 SW5 SW6 SW6 SW7 SW7 SW8 SW8 SW9 SW9 SW10 SW10 SW11 SW11: library part SWITCH/TACT/SMT/KAN4542-0381A, "4.5mm*4.5mm*3.8mm"
SW12 SW12: library part SWITCH/DIP/K3-1280S-F2
U1 U1 U2 U2: library part IC/TTL/SMT/SN74HC595, "8-bit serial-in,serial or parallel-out shift register with output latches;3-state"

## Free pads (board coordinates)
  round 2 on Top Solder: 0(510.413,295.783) 0(581.914,425.577) 0(613.283,333.502) 0(652.313,295.783) 0(723.814,425.577) 0(755.183,333.502)
  round 1 all layers, no hole: 0(510.413,295.783) 0(581.914,425.577) 0(613.283,333.502) 0(652.313,295.783) 0(723.814,425.577) 0(755.183,333.502)
  round 2 on Bottom Solder: 0(510.413,295.783) 0(581.914,425.577) 0(613.283,333.502) 0(652.313,295.783) 0(723.814,425.577) 0(755.183,333.502)

## Via types
v1: diameter 0.7, hole 0.4, Top Layer to Bottom Layer, tented both sides, 970 vias

## Nets (pads, with @x,y where several pads share a name; then routed paths per layer and width w, separated by ;. In a path a pad name is that pad's centre, name@x,y a point inside that pad or via, vN(x,y) a via of type N, cw(c..) or ccw(c..) an arc to the next point about the centre after c; other vN are vias at no path point)
pads on no net: C1.1 C1.2 C2.1 C2.2 C3.1 C3.2 C4.1 C4.2 C5.1 C5.2 C6.1 C6.2 C7.1 C7.2 C8.1 C8.2 C9.1 C9.2 C10.1 C10.2 C11.1 C11.2 C12.1 C12.2 C13.1 C13.2 C14.1 C14.2 C15.1 C15.2 C16.1 C16.2 C17.1 C17.2 C18.1 C18.2 C19.1 C19.2 C20.1 C20.2 C21.1 C21.2 C22.1 C22.2 C23.1 C23.2 C26.1 C26.2 C27.1 C27.2 C28.1 C28.2 D1.1 D1.2 D2.1 D2.2 D3.1 D3.2 D4.1 D4.2 D5.1 D5.2 D6.1 D6.2 D6.3 D6.4 D6.5 D6.6 D7.1 D7.2 D7.3 D7.4 D7.5 D7.6 D9.1 D9.2 D11.1 D11.2 D12.1 D12.2 EC1.1 EC1.2 EC2.1 EC2.2 EC3.1 EC3.2 EC4.1 EC4.2 EC5.1 EC5.2 EC6.1 EC6.2 EC7.1 EC7.2 EC8.1 EC8.2 F1.1 F1.2 F2.1 F2.2 F3.1 F3.2 J1.1 J1.2 J1.3 J2.1 J2.2 J2.3 J2.4 J2.5 J2.6 J2.7 J2.8 J2.9 J2.10 J3.1 J3.2 J3.3 J3.4 J4.1 J4.2 J4.3 J4.4 J4.5 J4.6 J4.7 J4.8 J4.9 J4.10 J4.11 J4.12 J4.13 J4.14 J4.15 J4.16 J4.17 J4.18 J4.19 J4.20 J4.21 J4.22 J4.23 J4.24 J4.25 J4.26 J4.27 J4.28 J4.29 J4.30 J5.1 J5.2 J5.3 J5.4 J6.1 J6.2 J6.3 J6.4 J7.1 J7.2 J7.3 J7.4 J7.5 J7.6 J7.7 J7.8 J7.9 J8.0 J8.1 J8.2 J8.3 J8.4 J8.5 J8.6 J8.7 J8.8 J8.9 J8.10 J8.11 J8.12 J8.BO1 J8.BO2 J9.1 J9.2 J9.3 J9.4 J10. J10.1 J10.2 J10.3 J10.4 J10.5 J10.6 J10.7 J10.8 J10.9 J10.10 J10.11 J10.12 J10.13 L1.1 L1.2 L2.1 L2.2 L3.1 L3.2 L4.1 L4.2 L5.1 L5.2 LED1.1 LED1.2 LED1.3 LED1.4 LED2.1 LED2.2 LED2.3 LED2.4 LED3.1 LED3.2 LED3.3 LED3.4 LED4.1 LED4.2 LED4.3 LED4.4 LED5.1 LED5.2 LED5.3 LED5.4 LED6.1 LED6.2 LED6.3 LED6.4 LED7.1 LED7.2 LED7.3 LED7.4 LED8.1 LED8.2 LED8.3 LED8.4 LED9.1 LED9.2 LED10.1 LED10.2 Q1.1 Q1.2 Q1.3 R1.1 R1.2 R2.1 R2.2 R3.1 R3.2 R4.1 R4.2 R5.1 R5.2 R6.1 R6.2 R7.1 R7.2 R8.1 R8.2 R9.1 R9.2 R10.1 R10.2 R11.1 R11.2 R12.1 R12.2 R13.1 R13.2 R14.1 R14.2 R15.1 R15.2 R16.1 R16.2 R17.1 R17.2 R18.1 R18.2 R19.1 R19.2 R20.1 R20.2 R21.1 R21.2 R22.1 R22.2 R23.1 R23.2 R24.1 R24.2 R25.1 R25.2 R26.1 R26.2 R27.1 R27.2 R28.1 R28.2 R29.1 R29.2 R30.1 R30.2 R31.1 R31.2 R32.1 R32.2 R33.1 R33.2 R34.1 R34.2 R35.1 R35.2 R36.1 R36.2 R37.1 R37.2 R40.1 R40.2 R41.1 R41.2 R42.1 R42.2 R43.1 R43.2 R44.1 R44.2 R48.1 R48.2 R49.1 R49.2 R50.1 R50.2 R51.1 R51.2 R52.1 R52.2 R56.1 R56.2 R57.1 R57.2 R60.1 R60.2 R61.1 R61.2 R66.1 R66.2 R67.1 R67.2 R68.1 R68.2 R69.1 R69.2 R70.1 R70.2 R71.1 R71.2 R72.1 R72.2 SW1.1 SW1.2 SW1.3 SW1.4 SW2.1 SW2.2 SW2.3 SW2.4 SW3.1 SW3.2 SW3.3 SW3.4 SW4.1 SW4.2 SW4.3 SW4.4 SW5.1 SW5.2 SW5.3 SW5.4 SW6.1 SW6.2 SW6.3 SW6.4 SW7.1 SW7.2 SW7.3 SW7.4 SW8.1 SW8.2 SW8.3 SW8.4 SW9.1 SW9.2 SW9.3 SW9.4 SW10.1 SW10.2 SW10.3 SW10.4 SW11.1 SW11.2 SW11.3 SW11.4 SW12. SW12.1 SW12.2 SW12.3 T1.1 T2.1 U1.1 U1.2 U1.3 U1.4 U1.5 U1.6 U1.7 U1.8 U1.9 U1.10 U1.11 U1.12 U1.13 U1.14 U1.15 U1.16 U2.1 U2.2 U2.3 U2.4 U2.5 U2.6 U2.7 U2.8 U2.9 U2.10 U2.11 U2.12 U2.13 U2.14 U2.15 U2.16 U3.1 U3.2 U3.3 U3.4 U3.5 U3.6 U3.7 U3.8 U3.9 U3.10 U3.11 U3.12 U3.13 U3.14 U3.15 U3.16 U3.17 U3.18 U3.19 U3.20 U3.21 U3.22 U3.23 U3.24 U3.25 U3.26 U3.27 U3.28 U3.29 U3.30 U3.31 U3.32 U3.33 U3.34 U5.1 U5.2 U5.3 U5.4 U5.5 U5.6 U5.7 U5.8 U5.9 U5.10 U5.11 U5.12 U5.13 U5.14 U5.15 U5.16 U5.17 U5.18 U5.19 U5.20 U5.21 U5.22 U5.23 U5.24 U5.25 U5.26 U5.27 U5.28 U5.29 U5.30 U5.31 U5.32 U5.33 U5.34 U5.35 U5.36 U5.37 U5.38 U5.39 U5.40 U5.41 U5.42 U5.43 U5.44 U5.45 U5.46 U5.47 U5.48 U5.49 U5.50 U5.51 U5.52 U5.53 U5.54 U5.55 U5.56 U5.57 U5.58 U5.59 U5.60 U5.61 U5.62 U5.63 U5.64 U5.65 U5.66 U5.67 U5.68 U5.69 U5.70 U5.71 U5.72 U5.73 U5.74 U5.75 U5.76 U5.77 U5.78 U5.79 U5.80 U5.81 U5.82 U5.83 U5.84 U5.85 U5.86 U5.87 U5.88 U5.89 U5.90 U5.91 U5.92 U5.93 U5.94 U5.95 U5.96 U5.97 U5.98 U5.99 U5.100 U5.101 U5.102 U5.103 U5.104 U5.105 U5.106 U5.107 U5.108 U5.109 U5.110 U5.111 U5.112 U5.113 U5.114 U5.115 U5.116 U5.117 U5.118 U5.119 U5.120 U5.121 U5.122 U5.123 U5.124 U5.125 U5.126 U5.127 U5.128 U5.129 U5.130 U5.131 U5.132 U5.133 U5.134 U5.135 U5.136 U5.137 U5.138 U5.139 U5.140
copper on no net: | length 16184.1